# Allegro board PandaX_III_V3.brd (continued)
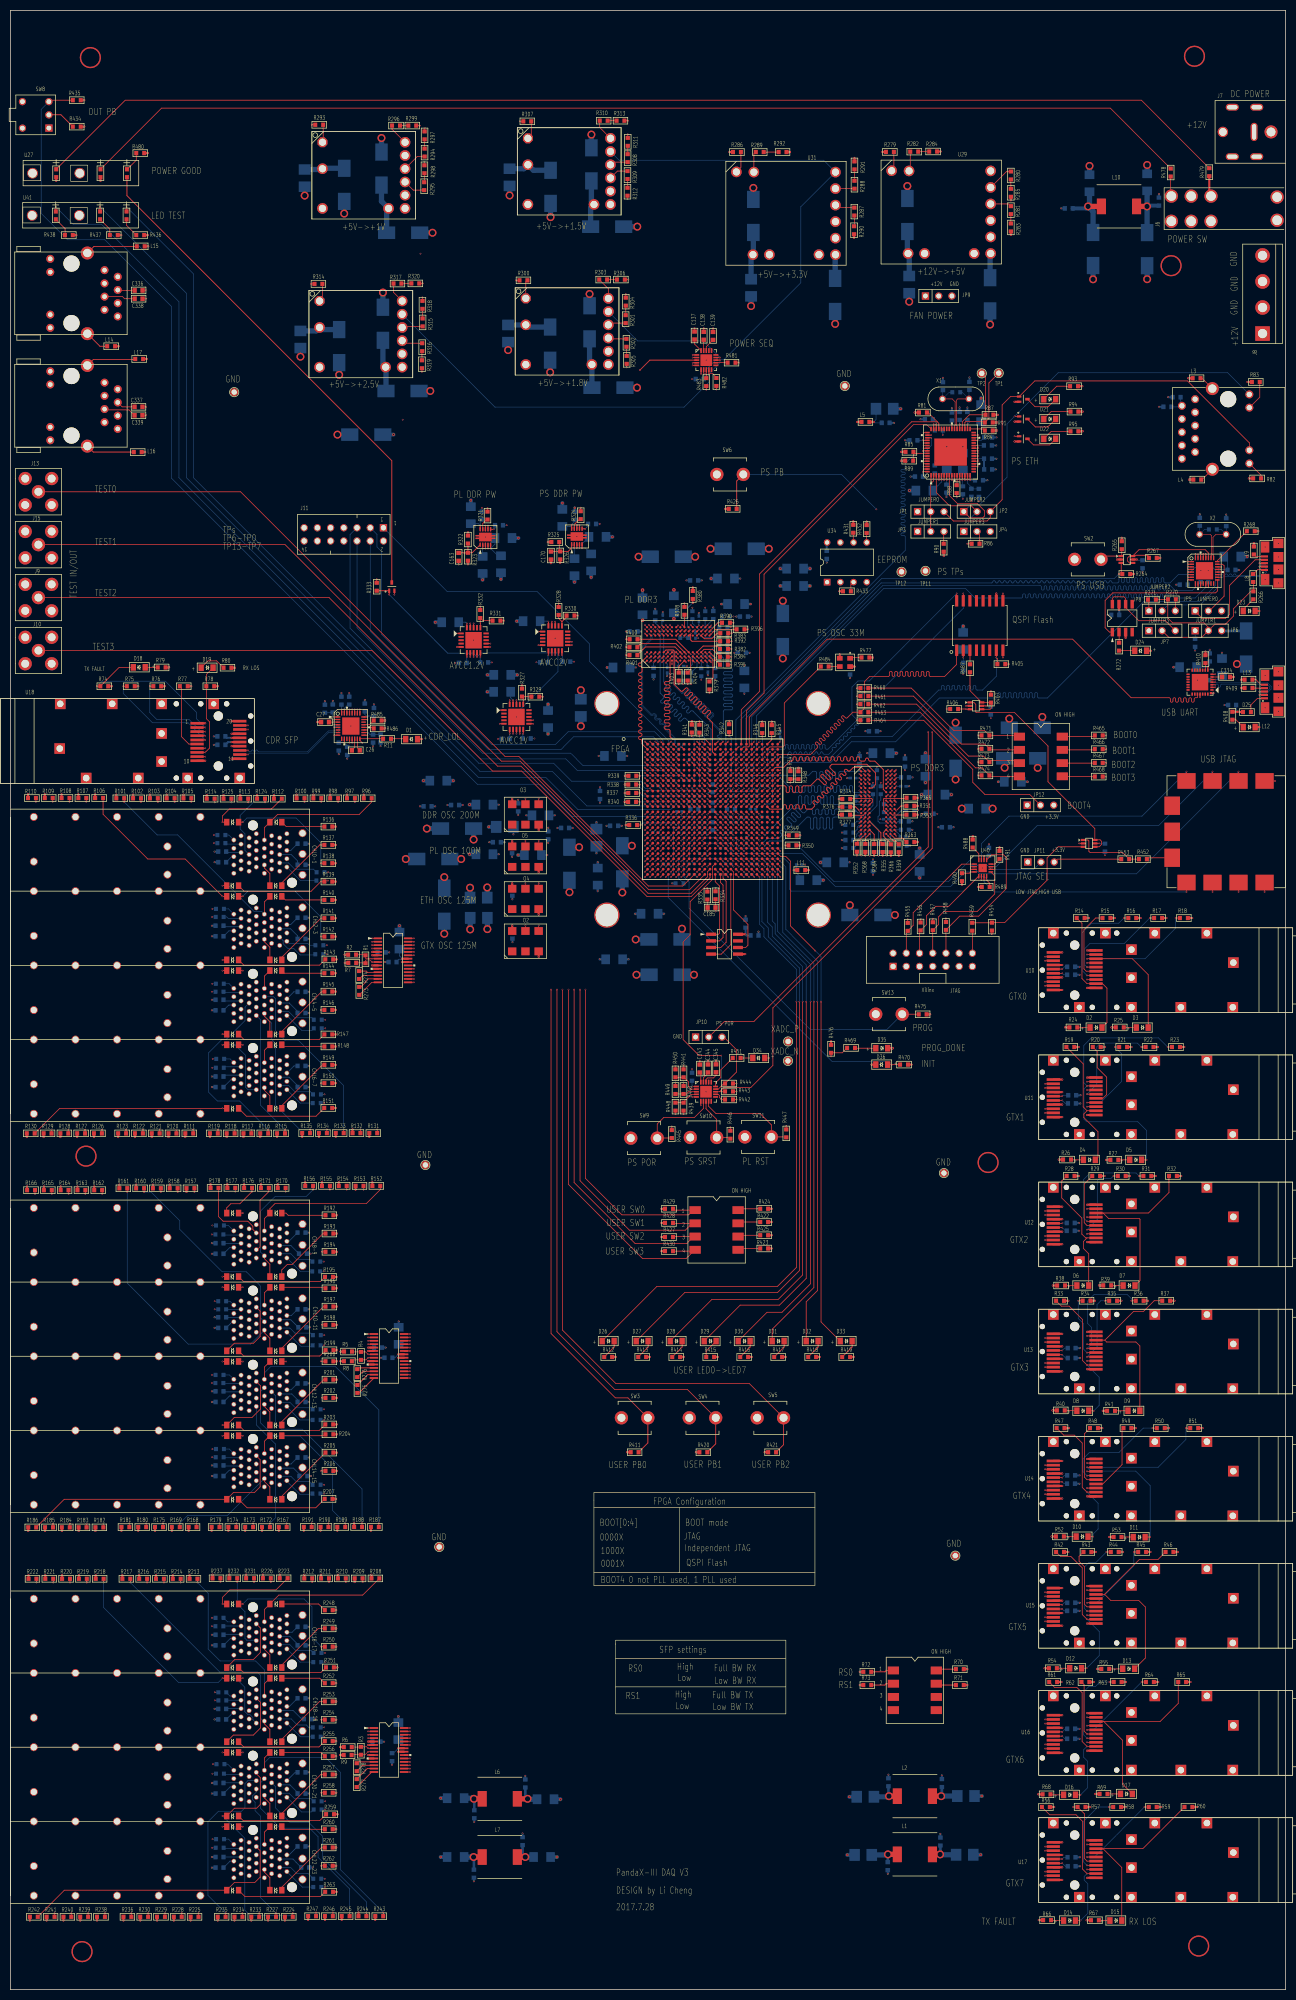
[diagram p0: board, top side]
## Routing (per net, layer and track width the routed paths; a pad name or vN(x,y) marks a point on that pad's centre or on a via; arc(x,y) is an arc through that point) (continued)
VCC1V: length 121.4
  TOP w0.102: U1.L13 v1(133.92,229.62) ; U1.R15 v1(136.93,224.62) ; U1.U13 v1(133.92,222.62) ; U1.T14 v1(135.93,223.62) ; U1.L11 v1(131.92,229.62) ; U1.N17 v1(138.93,227.62) ; U1.U17 v1(138.93,222.62) ; U1.T16 v1(137.93,223.62) ; U1.P12 v1(132.92,225.62) ; U1.R11 v1(131.92,224.62) ; U1.P18 v1(139.93,225.62) ; U1.T18 v1(139.93,223.62) ; U1.P16 v1(137.93,225.62) ; U1.L17 v1(138.93,229.62) ; U1.T12 v1(132.92,223.62) ; U1.N11 v1(131.92,227.62) ; U1.U15 v1(136.93,222.62) ; U1.U11 v1(131.92,222.62) ; U1.M12 v1(132.92,228.62) ; U1.V16 v1(137.93,221.62) ; U1.M16 v1(137.93,228.62) ; U1.N15 v1(136.93,227.62) ; U1.R17 v1(138.93,224.62) ; U1.L15 v1(136.93,229.62)
  TOP w0.152: R297.1 v1(79.58,357.46) ; U30.2 v1(131.09,313.35)
  SIG3 w0.152: v1(75.36,301.42) 75.84,301.91 119.64,301.91 v1(131.09,313.35)
  BOTTOM w0.152: v1(138.93,229.62) 139.42,229.13 C249.1 ; v1(139.93,223.62) 139.42,224.13 C266.1 ; C248.1 135.41,224.13 v1(135.93,223.62) ; C253.1 134.17,229.87 v1(133.92,229.62) ; v1(137.93,225.62) 138.42,225.12 C250.1 ; C261.1 132.41,229.13 v1(131.92,229.62) ; v1(138.93,227.62) 139.22,227.33 C247.1 ; v1(133.92,222.62) 133.43,223.11 C264.1 ; C246.1 132.18,227.36 v1(131.92,227.62) ; C267.1 137.44,228.14 v1(137.93,228.62) ; v1(132.92,223.62) 133.41,224.11 C263.1 ; C262.1 138.43,222.12 v1(138.93,222.62)
  BOTTOM w0.381: C243.1 v1(104.62,225.45) ; C237.1 v1(103.17,217.83) ; C239.1 v1(93.85,217.98) ; C251.1 v1(86.92,227.43) ; C241.1 v1(94.95,220.3) ; C252.1 v1(103.33,223.09) ; C236.1 v1(96.65,221.79) ; C245.1 v1(108.05,223.04) ; C244.1 v1(117.47,223.44) ; C255.1 v1(113.28,227.89) ; C254.1 v1(81.64,227.18) ; C238.1 v1(93.85,227.51)
  BOTTOM w0.508: C240.1 v1(112.85,216.45)
  BOTTOM w0.762: C233.1 v4(73.61,298.55)
  BOTTOM w1.016: C242.1 v3(86.61,217.07) ; C234.1 v3(119.41,219.61) ; C235.1 v3(89,220.8) ; C232.1 v3(109.27,219.33) ; C148.1 71.3,343.35 U23.4 72.29,341.62 C149.1
  vias: v1(78.79,333.3)
VCC1V5: length 97.9
  TOP w0.102: U43.A8 v1(121.93,261.16) ; U1.T21 v1(142.93,223.62) ; U1.H25 v1(146.93,232.62) ; U1.J22 v1(143.93,231.62) ; U43.C9 v1(123.46,262.03) ; U1.V25 v1(146.93,221.62) ; U1.A6 v1(127.93,238.62) ; U1.K9 v1(129.92,230.62) ; U1.R24 v1(145.93,224.62) ; U1.W22 v1(143.93,220.62) ; U1.N20 v1(141.93,227.62) ; U43.F1 v1(125.93,254.78) ; U1.M23 v1(144.93,228.62) ; U1.L26 v1(147.93,229.62)
  TOP w0.127: U43.H9 v1(128.26,261.91) ; U43.H2 v1(128.26,255.63) ; U43.A1 v1(121.98,254.83) ; U33.H9 v1(170.21,227.95) ; U33.B2 v1(163.94,233.43) ; U33.E9 v1(170.21,231.03) ; U43.G7 v1(126.78,260.31) ; U33.A1 v1(163.14,234.23) ; U33.D2 v1(163.94,231.83) ; U33.F1 v1(163.14,230.23) ; U33.A8 v1(169.41,234.23) ; U43.B2 v1(122.78,255.63) ; U33.K8 v1(169.41,226.35) ; U33.K2 v1(163.94,226.35) ; U33.C1 v1(163.14,232.63) ; U43.D9 v1(124.38,261.91) ; U33.D9 v1(170.21,231.83) ; U43.D2 v1(124.38,255.63) ; U33.R1 v1(163.14,222.35) ; U33.N1 v1(163.14,223.95) ; U33.H2 v1(163.94,227.95) ; U33.N9 v1(170.21,223.95) ; U33.G7 v1(168.61,229.43) ; U43.E9 v1(125.18,261.91) ; U43.K2 v1(129.86,255.63) ; U33.R9 v1(170.21,222.35) ; U43.C1 v1(123.58,254.83) ; U43.K8 v1(129.86,261.11) ; U33.C9 v1(170.21,232.63) ; U43.R1 v1(133.86,254.83) ; U43.N9 v1(132.26,261.91)
  TOP w0.152: U1.E14 v1(135.93,235.62) ; U43.R9 v1(133.95,262) ; U28.2 v1(90.76,276.69) ; U1.C10 v1(130.92,237.62) ; R322.2 v1(87.91,279.86) ; U32.2 v1(108.34,276.8) ; U43.N1 v1(132.35,254.74) ; U1.G8 v1(128.92,233.62) ; R342.2 v1(138.1,243.64) ; U1.B13 v1(133.92,238.62) ; U30.4 v1(131.09,312.35) ; U1.B3 v1(123.92,238.62) ; R311.1 v1(118.62,356.21) ; U1.D7 v1(127.92,236.62) ; U1.A16 v1(137.93,239.62) ; U1.H15 v1(136.93,232.62) ; U1.F11 v1(131.92,234.62) ; U1.J12 v1(132.92,231.62)
  TOP w0.381: R338.2 v1(118.03,231.37) ; R325.2 v1(103.25,277.93) ; R349.2 v1(151.76,221.62)
  BOTTOM w0.152: C288.1 136.4,236.09 v1(135.93,235.62) ; v1(163.94,226.35) 163.52,225.93 162.84,225.93 162.46,226.32 C299.1 ; v1(128.92,233.62) 128.43,234.11 C219.1 ; C298.1 170.57,224.31 v1(170.21,223.95) ; C315.1 123.58,253.78 v1(123.58,254.83) ; v1(90.76,276.69) 90.73,276.66 C162.1 ; C289.1 128.42,239.11 v1(127.93,238.62) ; C295.1 170.23,231.04 v1(170.21,231.03) ; v1(163.14,232.63) 163.12,232.61 C294.1 ; v1(170.21,222.35) 170.97,221.6 C300.1 ; v1(130.92,237.62) 130.43,237.14 C221.1 ; v1(163.14,234.23) 163.14,234.24 C292.1 ; v1(133.86,254.83) 133.86,254.13 C317.1 135.15,253.98 C316.1 ; v1(124.38,261.91) 123.9,262.39 C310.1 ; C297.1 161.98,220.85 162.61,221.49 162.61,221.83 v1(163.14,222.35) ; C293.1 170.33,232.74 v1(170.21,232.63) ; C290.1 145.44,225.1 v1(145.93,224.62) ; C311.1 133.95,262.04 v1(133.95,262) ; C312.1 125.18,262.7 v1(125.18,261.91) ; v1(108.34,276.8) 108.34,274.78 C169.1 ; C318.1 126.19,254.52 v1(125.93,254.78) ; 137.41,233.1 137.4,233.1 v1(136.93,232.62) ; C218.1 128.41,237.11 v1(127.92,236.62) ; v1(123.92,238.62) 123.44,239.1 C215.1 ; C313.1 132.28,261.93 v1(132.26,261.91) ; C220.1 142.16,227.39 v1(141.93,227.62) ; C216.1 144.42,231.13 v1(143.93,231.62)
  BOTTOM w0.381: C285.1 v1(167.21,241.61) ; C283.1 v1(140.25,270.92) ; C314.1 v1(120.19,253.85) ; C296.1 v1(161.26,216.43) ; C291.1 v1(164.6,237.39) ; C286.1 v1(132.84,270.56) ; C287.1 v1(181.23,223.17)
  BOTTOM w0.508: C309.1 v5(121.46,262.92) ; C282.1 v1(118.76,197.82)
  BOTTOM w1.016: C214.1 v3(131.57,275.11) ; C281.1 v3(169.95,206.33) ; C280.1 v3(131.34,194.84) ; C157.1 111.48,342.1 U25.4 111.63,343.25 C156.1 ; C213.1 v3(181.61,232.33) ; C284.1 v3(188.72,226.75)
VCC1V8: length 115.6
  TOP w0.102: U1.T8 v1(128.92,223.62) ; U1.U9 v1(129.92,222.62) ; U1.L19 v1(140.93,229.62) ; U1.K18 v1(139.93,230.62) ; U1.J2 v1(122.92,231.62) ; U1.V10 v1(130.92,221.62) ; U1.C20 v1(141.93,237.62) ; U1.R19 v1(140.93,224.62) ; U1.P8 v1(128.92,225.62) ; U1.R9 v1(129.92,224.62) ; U1.N19 v1(140.93,227.62) ; U1.M14 v1(135.93,228.62) ; U1.F21 v1(142.93,234.62) ; U1.F1 v1(121.92,234.62) ; U1.G18 v1(139.93,233.62) ; U1.H5 v1(125.92,232.62) ; U1.V6 v1(126.92,221.62) ; U1.M3 v1(123.92,228.62) ; U1.L6 v1(126.92,229.62) ; U1.U19 v1(140.93,222.62) ; U1.N9 v1(129.92,227.62)
  TOP w0.127: R406.2 v1(179.88,245.87) ; U36.5 v1(187.43,246.48) ; R443.2 v1(139.52,172.44)
  TOP w0.152: U35.5 v1(231.48,251.53) ; U6.56 v1(175.31,295.45) ; U22.8 v1(89,255.87) ; U8.28 v1(229.69,275.6) ; U20.7 v1(96.58,241.14) ; U20.8 v1(97.23,241.14) ; U22.6 v1(87.7,255.87) ; U6.4 v1(178.39,289.86) ; U22.7 v1(88.35,255.87) ; U8.32 v1(227.69,275.6) ; U1.E4 v1(124.92,235.62) ; U20.11 v1(100.44,243.05) ; U1.D17 v1(138.93,236.62) ; U8.30 v1(228.69,275.6) ; U6.64 v1(175.31,291.45) ; v1(120.95,310.95) 122.86,312.85 U30.3 ; U6.7 v1(179.9,289.86) ; U8.11 v1(228.69,269.23) ; U20.5 v1(94.02,243.05) ; U22.11 v1(92.21,257.78) ; U20.6 v1(95.93,241.14) ; R304.1 v1(118.24,325.53) ; U6.46 v1(177.89,300.54) ; U8.14 v1(230.19,269.23) ; U6.52 v1(175.31,297.45) ; U22.5 v1(85.79,257.78) ; U8.8 v1(226.25,270.67)
  TOP w0.381: R267.2 v1(220.95,274.88) ; L5.2 v1(165.89,300.99) ; L11.1 v1(153.39,214.94) ; R347.2 v1(149.86,234.62) ; R81.2 v1(173.74,302.79) ; R85.2 v1(171.15,295.25) ; R83.1 v1(237.69,308.66) ; R337.1 v1(118.03,229.74) ; R82.1 v1(237.95,290.15) ; R410.2 v1(229.62,256.9)
  BOTTOM w0.127: v1(228.69,269.23) 228.73,269.27 C125.1 ; C43.1 224.89,303.89 J1.9 224.84,304.34 C42.1 ; C48.1 175.3,297.46 v1(175.31,297.45) ; v1(175.31,291.45) 175.31,290.53 C47.1 ; C46.1 177.89,300.85 v1(177.89,300.54) ; v1(187.43,246.48) 187.59,246.33 C329.1 ; C50.1 179.91,289.87 v1(179.9,289.86) 179.9,288.99 C49.1 ; C55.1 166.07,300.81 v1(165.89,300.99) 166.32,301.42 C57.1
  BOTTOM w0.152: C265.1 126.41,232.13 v1(125.92,232.62) ; v1(129.92,222.62) 130.42,223.11 C207.1 ; v1(140.93,229.62) 141.41,229.13 C208.1 ; v1(139.93,233.62) 140.43,233.12 C276.1 ; v1(126.92,221.62) 126.44,221.14 C206.1 ; v1(230.19,269.23) 230.15,269.27 C124.1 ; v1(87.7,255.87) 87.68,255.85 C182.1 ; C123.1 226.21,270.63 v1(226.25,270.67) ; v1(129.92,227.62) 130.4,228.11 C205.1 ; v1(95.93,241.14) 95.94,241.13 C176.1 ; v1(140.93,224.62) 141.43,225.12 C259.1 ; C277.1 142.44,234.14 v1(142.93,234.62) 142.45,235.1 C260.1 ; C211.1 129.06,225.75 v1(128.92,225.62) ; C186.1 135.19,227.89 v1(135.93,228.62) ; v1(122.92,231.62) 123.42,231.13 C209.1 ; C333.1 230.45,251.53 v1(231.48,251.53) 232.03,251.53 C335.1
  BOTTOM w0.381: C231.1 v1(118.54,236.86)
  BOTTOM w0.508: C274.1 v2(195.42,231.9)
  BOTTOM w0.762: C258.1 v4(153.64,269.5) ; C275.1 v4(153.64,272.82) ; C257.1 v4(85.08,232.11)
  BOTTOM w1.016: C224.1 v3(91.62,211.61) ; C225.1 v3(91.64,203.61) ; C212.1 v3(145.72,276.63) ; C153.1 111.73,312 U24.4 111.28,312.46 C152.1 ; C273.1 v3(198.27,244.35) ; C256.1 v3(148.41,255.58)
VCC2V5: length 19.1
  TOP w0.102: U1.Y19 v1(140.93,219.62) ; U1.AF21 v1(142.93,213.62) ; U1.AC20 v1(141.93,216.62) ; U1.AB23 v1(144.93,217.62) ; U1.AE24 v1(145.93,214.62) ; U1.AA26 v1(147.93,218.62)
  TOP w0.152: R318.1 v1(79.17,324.92)
  BOTTOM w0.152: C203.1 142.42,216.13 v1(141.93,216.62) ; C204.1 v1(140.93,219.62) ; C201.1 142.44,214.1 v1(142.93,213.62)
  BOTTOM w1.016: C210.1 v3(83.36,213.59) ; C161.1 71.58,312.03 U26.4 72.16,311.45 C160.1
VCC3V3: length 373.4
  TOP w0.102: U1.U8 v1(128.92,222.62) ; U1.A26 v1(147.93,239.62) ; U1.AE14 v1(135.93,214.62) ; U1.V8 v1(128.92,221.62) ; U1.B23 v1(144.93,238.62) ; U1.V12 v1(132.92,221.62) ; U1.E24 v1(145.93,235.62) ; U1.AB13 v1(133.92,217.62) ; U1.AD17 v1(138.93,215.62) ; U1.V14 v1(135.93,221.62) ; U1.W8 v1(128.92,220.62) ; U1.AF11 v1(131.92,213.62) ; U1.AC10 v1(130.92,216.62) ; U1.AA16 v1(137.93,218.62)
  TOP w0.127: U38.1 v1(131.04,173.39) ; R405.2 v1(191.85,254.48) ; JP11.3 201.12,217.04 R453.2 ; U39.8 v1(240.98,210.75) ; U40.14 v1(187.07,217.65) ; U39.6 v1(230.98,210.75) ; R455.2 v1(172.42,205.49) ; R447.2 v1(149.07,165.84) ; R407.2 v1(188.39,249.3) ; R445.2 v1(127.08,165.71) ; R442.2 v1(139.52,170.89) ; R467.2 v1(210.57,235.53) ; R468.2 v1(210.57,232.89) ; R440.2 v1(129.34,174.17) ; R466.2 v1(210.57,238.16) ; R454.2 v1(188.59,202.64) ; R465.2 v1(210.57,240.79) ; R446.2 v1(138.33,165.58) ; R457.2 v1(177.24,205.61) ; R441.2 v1(129.34,177.37) ; U42.5 v1(209.18,220.07) ; R439.2 v1(129.34,168.07) ; R444.2 v1(139.52,173.97) ; D34.1 v1(145.75,178.87) ; U37.2 v1(183.08,255.75) ; R456.2 v1(174.88,205.56) ; R458.2 v1(179.76,205.66)
  TOP w0.152: U22.10 v1(90.3,255.87) ; R333.1 v1(70.38,270.79) ; U21.8 v1(104.67,256.22) ; U8.20 v1(232.63,272.17) ; R324.2 v1(109.58,284.53) ; U32.7 v1(109.34,281.19) ; R321.2 v1(91.67,284.46) ; U4.12 v1(65.16,239.41) ; U21.6 v1(103.37,256.22) ; U4.24 v1(68.59,244.35) ; U4.1 v1(62.22,244.35) ; U4.10 v1(64.16,239.41) ; U32.10 v1(107.84,281.19) ; U28.10 v1(90.26,281.09) ; U20.10 v1(98.53,241.14) ; U4.2 v1(62.22,243.85) ; U28.7 v1(91.76,281.09) ; U21.5 v1(101.46,258.14) ; U21.11 v1(107.89,258.14) ; U8.21 v1(232.63,272.67) ; U4.31 v1(64.16,245.78) ; U4.18 v1(68.59,241.35) ; U21.7 v1(104.02,256.22) ; U4.32 v1(63.65,245.78) ; U21.10 v1(105.97,256.22)
  TOP w0.381: R126.1 v1(16.05,163.68) ; R121.1 v1(27.15,163.68) ; R58.2 v1(214.25,35.05) ; R197.2 v1(62.74,131.14) ; R190.1 v1(59.59,88.11) ; R122.1 v1(23.93,163.68) ; R208.1 v1(69.37,79.66) ; R120.1 v1(30.38,163.68) ; R149.2 v1(62.53,177.55) ; R486.1 v1(72.01,242.14) ; R35.2 v1(213.47,132.26) ; R100.1 v1(54.99,229.44) ; R26.2 v1(201.42,159.36) ; R216.1 v1(24.74,79.58) ; R106.1 v1(16.28,229.49) ; R248.2 v1(62.61,72.85) ; R489.2 v1(185.95,211.71) ; R31.2 v1(220.05,156.21) ; R165.1 v1(6.43,154.2) ; O5.6 v1(96.42,220.53) ; R254.2 v1(62.61,51.82) ; R232.1 v1(42.06,79.68) ; R290.1 v1(162.1,336.35) ; R221.1 v1(6.71,79.58) ; R185.1 v1(6.65,88.04) ; R44.2 v1(213.79,84.02) ; R263.2 v1(62.69,18.77) ; R48.2 v1(209.8,107.8) ; R434.2 v1(14.2,357.68) ; R237.1 v1(38.84,79.68) ; R97.1 v1(64.67,229.44) ; R133.1 v1(62.51,163.73) ; R67.2 v1(206.78,13.31) ; R264.2 v1(215.85,271.78) ; R47.2 v1(203.38,107.8) ; R174.1 v1(41.88,88.09) ; R117.1 v1(44.78,163.68) ; R152.1 v1(69.55,155.02) ; R39.2 v1(209.14,135.21) ; R244.1 v1(66.88,14.81) ; R136.2 v1(62.53,223.29) ; R151.2 v1(62.51,169.27) ; R175.1 v1(27.79,88.09) ; R181.1 v1(21.34,88.09) ; R223.1 v1(51.74,79.68) ; R205.2 v1(62.74,103.1) ; O1.4 v1(162.2,254.01) ; R69.2 v1(208.43,37.57) ; R193.2 v1(62.74,145.16) ; R183.1 v1(13.11,88.04) ; R213.1 v1(34.42,79.58) ; R112.1 v1(50.62,229.36) ; R129.1 v1(6.38,163.68) ; R214.1 v1(31.19,79.58) ; R27.2 v1(210.52,159.31) ; U2.5 v1(69.49,199.24) ; R78.2 v1(39.85,250.24) ; R127.1 v1(12.83,163.68) ; R19.2 v1(205.26,180.98) ; R65.2 v1(226.75,59.06) ; R488.2 v1(184.89,221.49) ; R128.1 v1(9.6,163.68) ; O3.6 v1(96.42,228.64) ; R169.1 v1(31.01,88.09) ; R150.2 v1(62.53,174.03) ; R148.2 v1(62.53,181.07) ; R57.2 v1(207.4,35.05) ; R199.2 v1(62.76,122.76) ; O4.6 v1(96.42,212.42) ; R422.2 v1(146.28,147.37) ; R192.2 v1(62.74,148.67) ; R60.2 v1(227.94,35.05) ; R153.1 v1(66.32,153.59) ; R74.2 v1(19.48,250.24) ; R225.1 v1(34.62,13.26) ; R155.1 v1(59.87,155.02) ; R55.2 v1(208.76,61.57) ; R345.2 v1(146.28,243.46) ; R247.1 v1(57.2,13.39) ; R255.2 v1(62.61,47.7) ; R171.1 v1(48.13,154.64) ; R186.1 v1(3.43,88.04) ; R432.2 v1(164.52,281.86) ; R75.2 v1(24.57,250.24) ; R485.1 v1(72.01,243.66) ; R49.2 v1(216.22,107.8) ; R56.2 v1(200.56,35.05) ; R195.2 v1(62.66,136.83) ; D24.1 v1(219.13,257.05) ; R101.1 v1(20.35,229.44) ; R184.1 v1(9.88,88.04) ; R167.1 v1(51.56,88.09) ; R212.1 v1(56.46,79.66) ; R200.2 v1(62.74,120.63) ; R36.2 v1(218.57,132.26) ; R98.1 v1(61.44,229.44) ; R173.1 v1(45.11,88.09) ; R41.2 v1(209.88,111.13) ; R111.1 v1(33.6,163.68) ; R178.1 v1(38.46,154.64) ; R42.2 v1(203.28,84.02) ; R94.2 v1(206.04,302.97) ; R104.1 v1(30.02,229.44) ; R475.2 v1(176.73,187.25) ; R261.2 v1(62.61,27.28) ; R119.1 v1(38.33,163.68) ; R160.1 v1(24.16,154.56) ; R51.2 v1(229.06,107.8) ; R220.1 v1(9.93,79.58) ; R138.2 v1(62.53,216.26) ; R240.1 v1(10.19,13.26) ; R109.1 v1(6.6,229.49) ; R219.1 v1(13.16,79.58) ; R480.2 v1(26.39,352.6) ; R102.1 v1(23.57,229.44) ; R172.1 v1(48.34,88.09) ; U3.10 v1(68.73,120.02) ; R235.1 v1(39.83,13.26) ; R45.2 v1(219.05,84.02) ; R491.2 v1(190.04,219.3) ; R246.1 v1(60.43,13.39) ; R114.1 v1(37.72,229.36) ; R143.2 v1(62.71,197.79) ; R64.2 v1(220.55,59.06) ; R33.2 v1(203.28,132.26) ; R66.2 v1(197.59,13.34) ; R32.2 v1(224.97,156.21) ; R118.1 v1(41.55,163.68) ; R204.2 v1(62.74,106.6) ; R243.1 v1(70.1,13.39) ; R222.1 v1(3.48,79.58) ; R107.1 v1(13.06,229.49) ; R141.2 v1(62.53,205.7) ; R256.2 v1(62.61,44.81) ; R239.1 v1(13.41,13.26) ; R490.2 v1(182.83,212.14) ; R54.2 v1(198.7,61.7) ; R265.2 v1(213.54,278.77) ; R211.1 v1(59.69,79.66) ; R259.2 v1(62.86,33.66) ; R123.1 v1(20.7,163.68) ; R59.2 v1(221.09,35.05) ; R250.2 v1(62.61,65.84) ; R37.2 v1(223.67,132.26) ; R2.1 v1(64.21,198.71) ; U3.22 v1(74.53,121.97) ; U3.5 v1(68.73,123.27) ; R154.1 v1(63.09,155.02) ; R253.2 v1(62.61,55.32) ; R116.1 v1(48.01,163.68) ; R180.1 v1(24.56,88.09) ; R168.1 v1(34.24,88.09) ; R16.2 v1(217.16,205.74) ; R260.2 v1(62.61,30.79) ; R46.2 v1(224.31,84.02) ; R124.1 v1(47.4,229.36) ; U2.10 v1(69.49,195.99) ; R14.2 v1(207.24,205.74) ; R63.2 v1(214.35,59.06) ; R161.1 v1(20.93,154.56) ; R233.1 v1(46.28,13.26) ; R22.2 v1(220.48,180.98) ; R34.2 v1(208.38,132.26) ; U19.5 v1(68.73,47.63) ; R224.1 v1(52.73,13.26) ; U19.22 v1(74.53,46.33) ; R50.2 v1(222.64,107.8) ; R15.2 v1(212.2,205.74) ; R236.1 v1(21.72,13.26) ; R68.2 v1(197.48,37.49) ; R79.2 v1(30.51,253.85) ; R21.2 v1(215.4,180.98) ; R336.1 v1(118.21,223.6) ; R209.1 v1(66.14,78.23) ; R227.1 v1(49.5,13.26) ; R130.1 v1(3.15,163.68) ; R20.2 v1(210.33,180.98) ; R147.2 v1(62.53,183.39) ; R249.2 v1(62.61,69.34) ; R170.1 v1(51.36,154.64) ; R115.1 v1(51.23,163.68) ; R189.1 v1(62.81,88.11) ; R70.2 v1(183.87,61.52) ; O2.6 v1(96.42,204.31) ; D1.1 v1(79.04,240.08) ; R76.2 v1(29.67,250.24) ; R234.1 v1(43.05,13.26) ; R159.1 v1(27.38,154.56) ; U19.10 v1(68.73,44.37) ; R29.2 v1(210.22,156.21) ; R202.2 v1(62.74,113.62) ; R215.1 v1(27.97,79.58) ; R110.1 v1(3.38,229.49) ; R99.1 v1(58.22,229.44) ; R103.1 v1(26.8,229.44) ; R431.2 v1(161.95,281.92) ; R238.1 v1(16.64,13.26) ; R241.1 v1(6.96,13.26) ; R131.1 v1(68.96,163.73) ; R201.2 v1(62.74,117.12) ; R203.2 v1(62.71,108.51) ; R24.2 v1(202.64,184.74) ; R163.1 v1(12.88,154.2) ; R137.2 v1(62.53,219.77) ; R228.1 v1(31.39,13.26) ; R162.1 v1(16.1,154.2) ; R191.1 v1(56.36,88.11) ; R229.1 v1(28.17,13.26) ; R424.2 v1(146.28,149.91) ; R146.2 v1(62.53,188.11) ; R198.2 v1(62.74,127.64) ; R470.2 v1(173.15,177.6) ; R206.2 v1(62.74,99.59) ; R18.2 v1(227.08,205.74) ; R258.2 v1(62.61,37.8) ; R17.2 v1(222.12,205.74) ; R40.2 v1(200.23,111.2) ; R156.1 v1(56.64,155.02) ; R207.2 v1(62.59,94.21) ; R242.1 v1(3.73,13.26) ; R25.2 v1(211.56,184.74) ; R43.2 v1(208.53,84.02) ; R80.2 v1(43.15,253.8) ; R93.2 v1(205.97,307.85) ; R28.2 v1(205.31,156.21) ; R145.2 v1(62.53,191.62) ; R164.1 v1(9.65,154.2) ; R52.2 v1(200.05,87) ; R142.2 v1(62.53,202.18) ; R135.1 v1(56.06,163.73) ; R433.2 v1(159.28,268.48) ; R210.1 v1(62.92,79.66) ; R144.2 v1(62.53,195.14) ; R134.1 v1(59.28,163.73) ; U7.5 v1(216.44,274.58) ; R425.2 v1(146.28,144.83) ; R251.2 v1(62.84,61.85) ; R230.1 v1(24.94,13.26) ; R476.2 v1(157.68,182.07) ; R77.2 v1(34.76,250.24) ; R38.2 v1(200.28,135.18) ; R176.1 v1(44.91,154.64) ; R71.2 v1(183.87,58.47) ; R182.1 v1(16.33,88.04) ; R108.1 v1(9.83,229.49) ; R30.2 v1(215.14,156.21) ; R139.2 v1(62.53,212.74) ; R113.1 v1(44.17,229.36) ; R61.2 v1(201.96,59.06) ; R125.1 v1(40.94,229.36) ; R257.2 v1(62.61,41.3) ; R132.1 v1(65.74,165.15) ; R218.1 v1(16.38,79.58) ; R262.2 v1(62.61,23.78) ; U2.22 v1(75.29,197.94) ; R95.2 v1(206.04,299.19) ; R194.2 v1(62.74,141.66) ; R5.1 v1(63.42,122.51) ; R187.1 v1(69.27,88.11) ; R105.1 v1(33.25,229.44) ; R179.1 v1(38.66,88.09) ; R140.2 v1(62.53,209.22) ; R6.1 v1(63.37,46.56) ; R217.1 v1(21.51,79.58) ; R53.2 v1(211.12,86.89) ; R96.1 v1(67.89,229.44) ; R177.1 v1(41.68,154.64) ; R188.1 v1(66.04,89.54) ; R157.1 v1(33.83,153.14) ; R231.1 v1(45.29,79.68) ; R62.2 v1(208.15,59.06) ; R196.2 v1(62.74,134.65) ; R23.2 v1(225.55,180.98) ; R477.2 v1(165.73,255.75) ; DU3.8 v1(141.2,202.62) ; R166.1 v1(3.2,154.2) ; R158.1 v1(30.61,154.56) ; R423.2 v1(146.28,142.29) ; R252.2 v1(62.61,58.83) ; R245.1 v1(63.65,13.39) ; R226.1 v1(48.51,79.68)
  TOP w1.016: 97.41,25.45 v3(98.93,25.45) ; L1.1 v3(168.61,25.96) ; 97.41,36.63 v3(99.36,36.63) ; L2.1 v3(168.81,37.14)
  BOTTOM w0.127: C327.1 183.06,255.78 v1(183.08,255.75) C328.1 ; C347.1 187.99,217.65 v1(187.07,217.65) ; v1(209.18,220.07) 209.23,220.02 C348.1 ; C346.1 130.96,173.47 v1(131.04,173.39)
  BOTTOM w0.152: C198.1 138.46,216.09 v1(138.93,215.62) ; v1(64.16,245.78) 64.16,246 64.87,246.71 C21.2 ; C33.2 64.72,238.84 v1(64.16,239.41) 64.14,239.42 C32.2 ; C15.2 68.75,47.6 v1(68.73,47.63) ; C271.1 147.9,239.64 v1(147.93,239.62) ; C7.1 74.75,198.48 v1(75.29,197.94) 75.17,197.82 74.6,197.82 74.19,197.41 C9.2 ; v1(131.92,213.62) 131.42,214.12 C199.1 ; C25.2 61.9,245.16 C24.2 61.95,244.61 v1(62.22,244.35) ; C184.1 90.27,255.84 v1(90.3,255.87) ; C8.2 69.59,199.14 v1(69.49,199.24) ; C181.1 103.3,256.15 v1(103.37,256.22) ; v1(105.97,256.22) 106.04,256.15 C177.1 ; v1(137.93,218.62) 137.44,219.1 C195.1 ; C172.1 108.43,281.9 107.91,281.37 107.91,281.26 v1(107.84,281.19) 107.56,280.92 C171.1 ; C194.1 133.43,218.11 v1(133.92,217.62) ; C20.2 63.6,245.84 v1(63.65,245.78) ; C126.1 233.86,274.42 C127.1 233.76,272.67 v1(232.63,272.67) ; C13.1 74.55,46.35 v1(74.53,46.33) 73.59,45.39 C14.2 ; v1(145.93,235.62) 146.4,236.09 C272.1 ; C11.2 v1(68.73,123.27) ; C165.1 90.26,281.91 v1(90.26,281.09) 89.9,281.45 C164.1 ; C23.2 68.1,244.84 v1(68.59,244.35) 68.77,244.53 C22.2 ; C12.2 73.87,121.31 v1(74.53,121.97) 74.6,122.04 C10.1 ; v1(130.92,216.62) 131.41,216.13 C193.1 ; C30.2 69.7,240.97 C31.2 69.1,240.95 68.77,241.28 68.66,241.28 v1(68.59,241.35) ; C358.1 216.59,274.42 v1(216.44,274.58) ; C180.1 98.45,241.05 v1(98.53,241.14) ; v1(135.93,214.62) 136.42,214.12 C200.1 ; v1(128.92,221.62) 129.41,222.11 C192.1 ; C191.1 132.41,222.12 v1(132.92,221.62)
  BOTTOM w0.381: C351.1 96.42,219.74 v1(96.42,220.53) ; v1(162.2,254.01) 162.19,254.03 C350.1 ; C355.1 96.42,203.38 v1(96.42,204.31) ; C354.1 96.42,211.58 v1(96.42,212.42) ; C342.1 141.25,202.67 v1(141.2,202.62) 141.43,202.39 C341.1 ; C357.1 v1(97.56,228.45) ; U34.8 156.84,277.78 C340.1
  BOTTOM w0.508: C270.1 v1(125.57,206.55) ; v3(168.81,37.14) 168.71,37.24 C38.1 ; C196.1 v1(112.6,224.13) ; v3(99.36,36.63) 98.93,37.06 C70.2 ; v3(98.93,25.45) 98.4,25.99 C500.2 ; C34.1 168.58,25.93
  BOTTOM w1.016: C39.1 168.68,37.01 v3(168.81,37.14) ; C269.1 v3(197.38,234.57) ; C145.1 158.47,333.05 U31.5 ; v3(99.36,36.63) 99.44,36.55 C69.1 ; C197.1 v3(129.03,203.68) ; v3(168.61,25.96) 168.5,25.86 C35.1 ; C503.1 v3(98.93,25.45)
VCC5V: length 53.7
  TOP w0.152: R481.2 v1(140,312.37) ; R483.2 v1(133.71,307.19) ; U30.7 v1(133.21,310.23) ; U30.1 v1(131.09,313.85) ; R482.2 v1(135.64,307.21)
  TOP w0.381: U9.7 v1(213,264.87) ; R285.1 v1(192.23,343.54)
  BOTTOM w0.152: C499.1 133.2,310.23 v1(133.21,310.23)
  BOTTOM w0.381: C128.1 213.06,264.82 v1(213,264.87)
  BOTTOM w1.016: C158.1 58.74,318.47 U26.2 59.81,318.72 C159.1 ; C151.1 99.46,319.2 U24.2 99,319.61 C150.1 ; C154.1 98.67,349.61 U25.2 100.5,349.3 C155.1 ; C146.1 59.81,349.45 U23.2 60.04,349.68 C147.1 ; C143.1 142.32,332.76 U31.2 142.75,333.19 C144.1 ; U29.5 188.24,333.23 C142.1
VCCPLL: length 5.1
  TOP w0.102: U1.M18 v1(139.93,228.62)
  TOP w0.381: L11.2 v1(150.5,214.94)
  BOTTOM w0.152: C223.1 151.68,213.75 v1(150.5,214.94) 151.05,215.49 C222.1
14_PIN_JTAG_INIT: length 29.9
  TOP w0.127: U42.3 201.32,219.41 199.19,217.27 199.19,213.01 191.03,204.85 R454.1 188.57,204.83 R459.1
14_PIN_JTAG_TCK: length 21
  TOP w0.127: J12.6 174.68,203.15 R456.1 176,204.47 176,206.17 177.83,208 180.29,208 U40.5
14_PIN_JTAG_TDI: length 29.7
  TOP w0.127: J12.10 R458.1 182.4,206.1 186.06,206.1 191.34,211.38 191.34,217.35 190.8,217.88 188.54,217.88 U40.13
14_PIN_JTAG_TDO: length 24.6
  TOP w0.127: J12.8 177.22,203.38 R457.1 178.36,204.52 178.36,206 179.35,206.99 185.75,206.99 189.13,210.36 189.13,213.84 U40.9
14_PIN_JTAG_TMS: length 24
  TOP w0.127: J12.4 172.14,203 R455.1 173.46,204.32 173.46,206.76 182.79,216.09 U40.1
BOOT0: length 32.9
  TOP w0.127: SW12.1 193.64,240.79 R471.2 187.2,241.71 181.28,241.71 173.1,249.89 R460.1
BOOT1: length 33.3
  TOP w0.127: SW12.2 188.32,238.02 R472.2 187.21,239.14 182.7,239.14 173.5,248.34 R461.1
BOOT2: length 33.9
  TOP w0.127: R462.1 174.1,246.8 184.07,236.83 186.96,236.83 R473.2 188.4,235.97 193.38,235.97 SW12.3
BOOT3: length 34.1
  TOP w0.127: SW12.4 188.29,232.94 R474.2 186.66,234.57 185.45,234.57 174.76,245.26 R463.1
BOOT4: length 41.3
  TOP w0.127: R464.1 175.46,243.71 184.91,234.27 184.91,231.79 187.21,229.49 195.83,229.49 JP12.2
CDR_LOL: length 79
  TOP w0.102: U1.Y11 v1(131.92,219.62)
  TOP w0.127: v1(67.61,239.39) 67.16,239.84 U4.16 67.17,240.16 R11.2
  SIG4 w0.127: v1(131.92,219.62) 131.92,219.77 131.47,220.22 131.47,220.75 131.19,221.03 120.88,221.03 120.6,221.31 104.44,221.31 103.89,221.87 98.42,221.87 97.55,222.73 92.15,222.73 92.14,222.72 91.71,222.72 91.69,222.73 84.26,222.73 v1(67.61,239.39)
CDR_SCK: length 77.5
  TOP w0.102: U1.Y12 v1(132.92,219.62)
  TOP w0.127: R486.2 69.7,242.14 69.49,242.35 v1(68.59,242.35) U4.20
  SIG4 w0.127: v1(132.92,219.62) 132.83,219.62 132.36,220.09 132.36,221.82 132.18,222 105.26,222 103.23,224.03 88.39,224.03 70.07,242.35 v1(68.59,242.35)
CDR_SDA: length 80.8
  TOP w0.102: U1.W14 v1(135.93,220.62)
  TOP w0.127: U4.21 v1(68.59,242.85) 68.98,242.85 R485.2
  SIG4 w0.127: v1(135.93,220.62) 135.31,220.62 135.05,220.88 135.05,222.43 134.32,223.17 121.44,223.17 121.16,222.89 109.12,222.89 107.06,224.95 88.77,224.95 72,241.72 71.84,241.72 71.59,241.97 71.59,242.13 70.87,242.85 v1(68.59,242.85)
CONNECTOR_INPUT+12V: length 4
  TOP w0.381: J6.4 230.35,344.68 R479.1
DCM_CLK_N: length 177.2
  TOP w0.102: U1.L4 v1(124.92,229.62)
  SIG2 w0.102: DU1.2 20.54,328.86 19.81,329.59 19.81,329.74 19.89,329.82 22.12,329.82 arc(22.26,329.76) 22.32,329.62 22.32,329.31 arc(22.52,329.11) 22.73,329.31 22.73,329.62 arc(22.79,329.76) 22.93,329.82 32.13,329.82 57.27,304.67 92.58,304.67 119.18,278.08 119.18,238.08 121.33,235.93 125.05,235.93 125.3,235.68 125.3,230 v1(124.92,229.62)
DCM_CLK_P: length 177.2
  TOP w0.102: U1.L5 v1(125.92,229.62)
  SIG2 w0.102: DU1.1 18.37,329.85 19.56,329.85 19.79,330.07 32.23,330.07 57.38,304.93 92.69,304.93 119.43,278.19 119.43,238.18 121.43,236.18 125.15,236.18 125.55,235.78 125.55,230 v1(125.92,229.62)
DCM_ENAREM: length 208.7
  TOP w0.102: U1.Y15 v1(136.93,219.62)
  SIG4 w0.127: DU1.3 8.62,327.59 5.94,324.92 5.94,295.91 11.25,290.6 29.97,290.6 94.49,226.09 135.92,226.09 136.37,225.63 136.37,220.17 v1(136.93,219.62)
DCM_MISO_N: length 175.9
  TOP w0.102: U1.J6 v1(126.92,231.62)
  SIG1 w0.102: v1(126.92,231.62) 126.55,231.25 125.75,231.25 125.53,231.47 125.53,241.46 116.54,250.45 116.54,287.48 101.5,302.52 52.35,302.52 36.02,318.85 20.75,318.85 19.87,319.73 arc(19.81,319.87) 19.87,320.01 arc(19.93,320.15) 19.87,320.29 19.86,320.29 arc(19.73,320.35) 19.59,320.29 arc(19.45,320.24) 19.31,320.29 19.05,320.55 19.05,321.11 19.15,321.21 20.59,321.21 DU1.8
DCM_MISO_P: length 175.9
  TOP w0.102: U1.K6 v1(126.92,230.62)
  SIG1 w0.102: DU1.7 18.8,321.8 18.8,320.44 20.65,318.59 35.92,318.59 52.25,302.26 101.39,302.26 116.28,287.37 116.28,250.34 125.27,241.35 125.27,231.37 125.64,231 126.55,231 v1(126.92,230.62)
DCM_MOSI_N: length 174.4
  TOP w0.102: C338.1 v1(26.11,324.64) ; U1.L7 v1(127.92,229.62)